# KiCad board FC_V5c.kicad_pcb (continued)
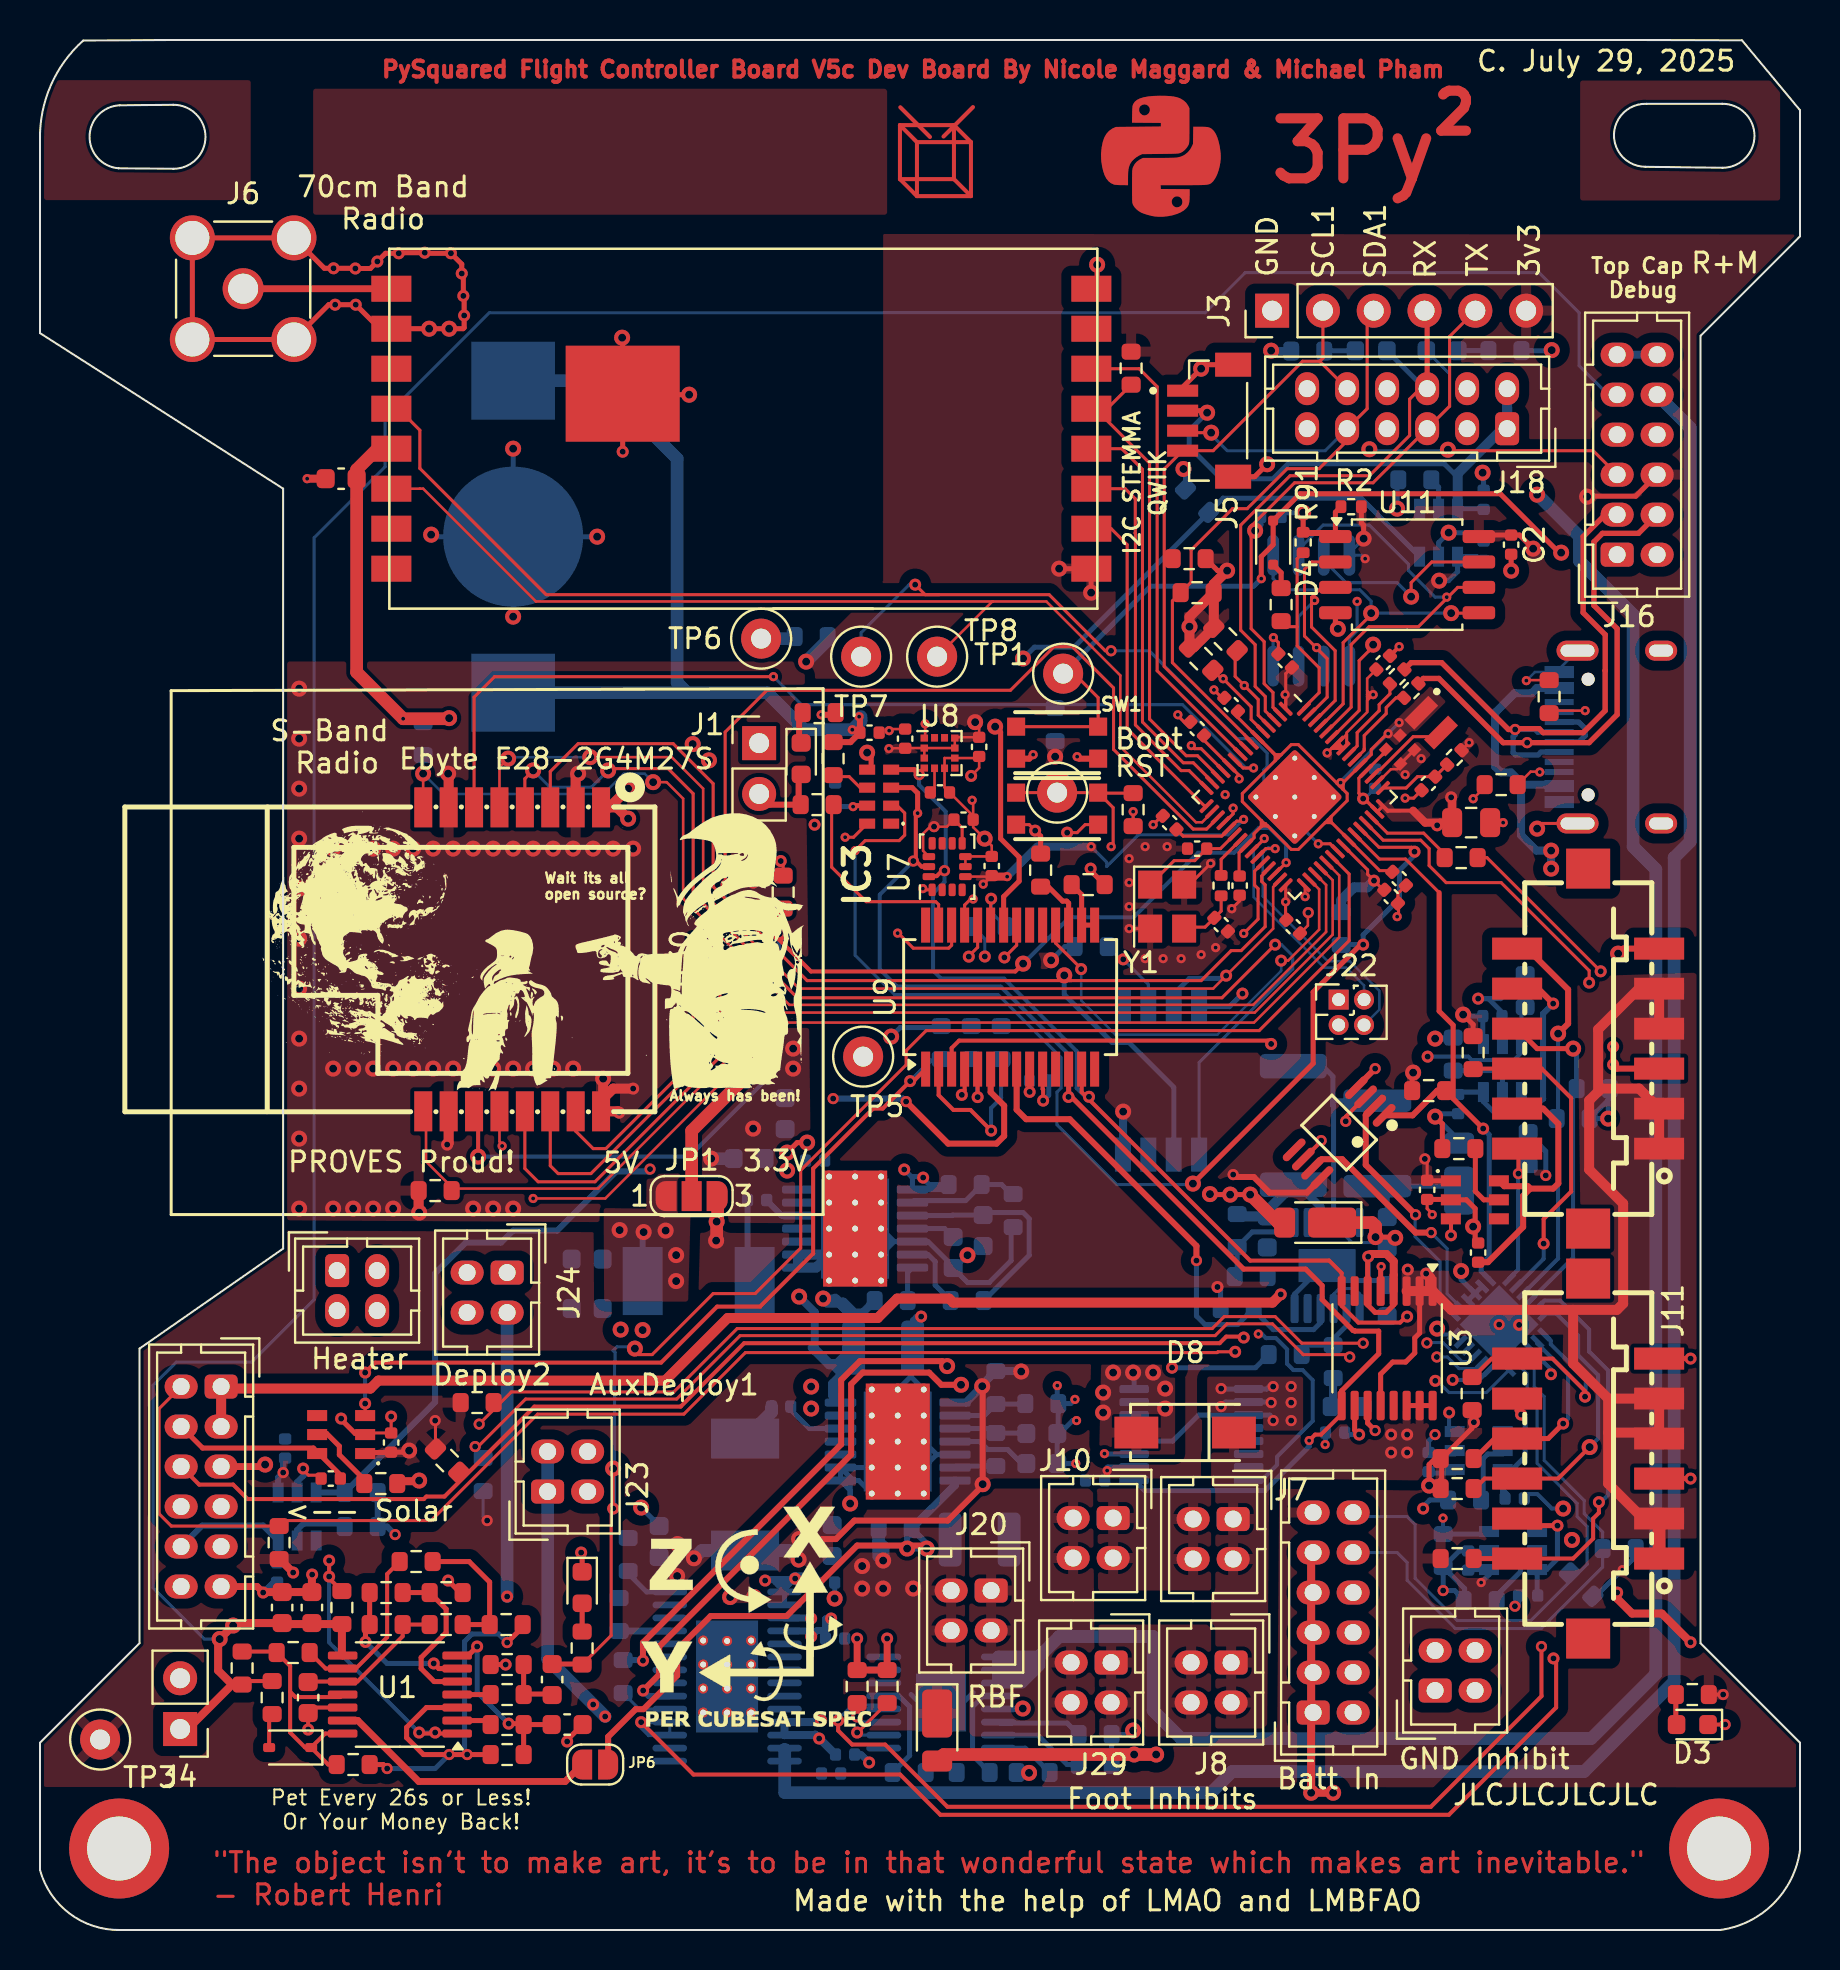
[diagram p0: board, top side]
## Routing (per net, layer and track width the routed paths; a pad name or vN(x,y) marks a point on that pad's centre or on a via; arc(x,y) is an arc through that point) (continued)
  Bottom w0.25: U6.15 37.23,17.04 37.44,17.26 ; U6.15 U6.16 ; U6.15 36.88,17.25 ; v3(37.76,17.57) 36.36,17.57 v3(36.26,17.47) 36.66,17.47 36.77,17.36 ; v3(37.76,17.57) 37.54,17.36 36.77,17.36 ; v3(37.76,17.57) 37.44,17.26 ; 37.44,17.26 37.43,17.25 36.88,17.25 ; 36.77,17.36 36.88,17.25
  Bottom w0.635: v3(37.76,17.57) 38.58,17.57 C58.1
PAYLOAD_BATT: length 118.9
  In2.Cu w0.635: v1(74.86,71.77) 70.66,71.77 J18.7 J18.8
  Bottom w0.635: 47.93,12.39 U25.9 49.94,13.65 ; 49.94,13.65 50.96,14.67 55.66,14.67 55.66,10.97 57.06,9.57 77.56,9.57 80.79,12.81 80.79,53.04 79.66,54.17 79.66,65.77 76.98,68.46 76.98,69.68 74.88,71.77 v1(74.86,71.77) ; 49.94,13.65 49.94,13.25 ; 49.94,13.25 48.18,13.25 U25.10 48.06,12.87 49.56,12.87 49.66,12.97 ; 49.94,13.25 49.66,12.97 ; 49.66,12.97 49.08,12.39 48.16,12.39
PAYLOAD_BATT_ENABLE: length 42.5
  Top w0.152: U9.24 46.88,49.14 46.44,48.7 46.44,48.67
  In2.Cu w0.152: v1(49.14,11.07) 49.14,26.89 49.14,26.89 47.96,28.07 47.96,36.59 45.46,39.09 45.46,47.69 v3(46.44,48.67)
  Bottom w0.25: U25.13 49.12,11.05 v1(49.14,11.07)
PAYLOAD_PWR: length 28.8
  Top w0.25: J5.2 58.26,75.97 v1(58.36,75.87)
  Bottom w0.25: v1(58.36,75.87) 57.46,74.97 57.46,74.17 59.06,72.57 61.66,72.57 62.41,73.32 70.21,73.32 70.88,72.65 U29.6 72.03,71.07
  Bottom w0.5: 73.36,76.07 J18.1 ; 73.36,76.07 73.36,75.3 70.88,72.83 U29.6 ; 73.36,76.07 J18.2
PAYLOAD_PWR_ENABLE: length 39.1
  Top w0.25: U9.22 48.18,51.67 48.96,52.45 48.96,53.65 48.03,54.57 48.03,59.9 v1(47.76,60.17)
  In1.Cu w0.25: v1(49.15,63.58) 47.76,62.18 v1(47.76,60.17)
  Bottom w0.25: U29.3 66.06,71.6 59.16,71.6 51.71,64.15 49.72,64.15 v1(49.15,63.58)
READONLY: length 10.7
  Top w0.152: 39.58,56.67 39.58,53.15 41.31,51.42 44.79,51.42 44.93,51.28 U9.27
RF1_IO0: length 54.2
  Top w0.127: 47.66,66.43 47.62,66.43 TP8.1 ; 47.66,66.43 24.8,66.43 19.16,72.07 18.99,72.07 18.99,72.07 U4.6 ; 47.66,66.43 50.32,66.43 54.02,62.73 54.02,59.18 57.8,55.39 58.1,55.39 58.6,55.89
RF1_IO4: length 64.9
  Top w0.152: 44.96,66.77 44.26,66.77 v3(43.76,67.27) ; 44.96,66.77 50.46,66.77 53.26,63.97 v2(53.55,63.97) ; 44.96,66.77 25.31,66.77 18.99,73.09 18.99,75 17.92,76.07 ; v4(63.91,54.32) 64.51,54.32 U18.37
  Bottom w0.152: v4(63.91,54.32) 63.36,54.87 63.36,55.07 61.19,57.24 61.19,58.01 61.36,58.17 61.36,58.85 60.63,59.57 59.86,59.57 55.46,63.97 v2(53.55,63.97) ; v3(43.76,67.27) 43.46,67.27 41.06,64.87 TP7.1
RF1_RST: length 23.8
  Top w0.152: U4.14 54.96,78.07 55.86,77.17 55.86,62.97 U18.9
RF2_IO0: length 54.8
  Top w0.127: U30.12 22.97,39.43 23.11,39.3 v4(23.11,39.2) ; U18.35 64.96,52.73 64.96,49.64 60.7,45.37 37.06,45.37 28.26,36.58 v4(24.66,36.58)
  In2.Cu w0.127: v4(24.66,36.58) 23.16,38.08 23.16,39.15 v4(23.11,39.2)
RF2_IO1: length 34.6
  Top w0.152: U30.13 24.24,38.08 24.91,37.42 27.75,37.42 34,43.66 v4(34,48.57) ; U9.26 45.58,49.24 45.43,49.1 43.66,49.1 42.91,49.85 v4(42.88,49.85)
  In2.Cu w0.152: v4(34,48.57) 34,48.78 35.74,50.52 42.28,50.52 42.88,49.92 v4(42.88,49.85)
RF2_IO2: length 34.6
  Top w0.152: v4(46.66,51.55) 46.64,51.57 46.55,51.57 46.23,51.25 U9.25 ; U30.14 25.51,38.22 25.91,37.82 27.55,37.82 33.41,43.69 v4(33.41,49.07)
  In2.Cu w0.152: v4(46.66,51.55) 46.66,51.33 46.65,51.32 35.65,51.32 v4(33.41,49.07)
RF2_IO3: length 58.4
  Top w0.152: U30.15 26.78,39.95 27.66,39.07 28.3,39.07 32.66,43.44 v4(32.66,49.57) ; 58.88,55.61 58.33,55.05 57.66,55.05 53.68,59.03 53.68,62.11 51.61,64.17 50.7,64.17 48.52,61.99 36.35,61.99 34.26,59.9 v4(34.26,52.29)
  Bottom w0.152: v4(34.26,52.29) 34.26,51.42 32.66,49.82 v4(32.66,49.57)
RF2_RST: length 58
  Top w0.152: 61.74,52.81 v4(62.31,53.37)
  Top w0.2: v1(21.91,38.67) 21.91,40.73 ; 36.94,50.86 v1(36.94,49.84) 36.94,49.54 38.55,47.93 48.76,47.93 v1(49.16,48.32)
  Bottom w0.2: v1(49.16,48.32) 51.48,50.64 54.68,50.64 57.9,53.87 59.7,53.87 60.94,55.11 61.47,55.11 62.31,54.28 v4(62.31,53.37) ; v1(36.94,49.84) 36.94,43.16 32.46,38.67 v1(21.91,38.67)
RF2_RX_EN: length 61
  Top w0.127: U18.33 64.3,52.26 64.3,49.91 60.66,46.26 37.47,46.26 32.16,51.57 32.16,56.57 31.33,57.4 v1(30.66,57.4) ; v1(19.16,57.82) 19.16,56.14
  Bottom w0.127: R96.1 v1(19.16,57.82) 20.17,56.81 28.17,56.81 29.19,57.82 30.23,57.82 v1(30.66,57.4)
RF2_TX_EN: length 57.1
  Top w0.127: 19.3,40.8 19.3,38.43 20.66,37.07 27.91,37.07 36.71,45.87 60.73,45.87 64.63,49.77 64.63,52.5 U18.34
RF_VCC: length 57
  Top w0.635: U4.5 16.88,74.07 15.83,73.02 C14.2 15.83,62.9 v4(18.16,60.57) 20.43,60.57 v1(20.46,60.6) ; v1(36.24,43.62) 32.58,39.96 JP1.2
  In2.Cu w0.635: v1(36.24,43.62) 31.81,48.06 31.81,57.55 28.78,60.57 v4(18.16,60.57)
RTC_INT: length 59.5
  Top w0.152: U18.41 66.95,54.14 68.59,54.14 68.73,54.01 v3(68.73,53.92) ; v4(40.76,53.97) 41.26,54.47 42.96,54.47 43.23,54.75 43.23,55.85 42.86,56.22 IC3.2
  Top w0.25: v3(66.16,49.27) 66.03,49.27 63.66,46.9 63.66,43.33 v1(57.65,37.32)
  Bottom w0.152: v1(57.65,37.32) 57.6,37.27 53.84,37.27 50.85,40.27 50.85,41.9 51.05,42.1 51.05,43.63 47.91,46.77 42.72,46.77 40.76,48.74 v4(40.76,53.97)
  Bottom w0.25: 65.08,49.27 v3(66.16,49.27) 66.16,49.76 67.97,51.57 67.97,52.99 68.73,53.74 v3(68.73,53.92)
RX: length 29.8
  Top w0.152: 69,77.07 68.48,76.55 68.48,74.73 66.47,72.72 62.5,72.72 60.03,70.25 60.03,65 60.76,64.27 60.76,62.19 61.26,61.68 61.26,60.96 U18.3
  Top w0.25: J18.6 69.36,80.84
  Bottom w0.25: 69.24,77.07 D2.2
SCL0: length 45.9
  Top w0.152: 63.99,78.45 J18.10 ; 63.99,78.45 64.15,78.61 J3.2 ; 63.99,78.45 63.13,78.45 58.66,73.97 J5.4 56.21,73.05 56.21,63.18 U18.8
  In2.Cu w0.152: J18.10 66.86,78.57 75.06,78.57 J16.7
SCL1: length 106.7
  Top w0.127: R39.1 59.06,62.57 v4(59.16,62.57) ; v4(44.26,60.31) 44.26,59.65
  Top w0.152: v4(59.16,62.57) 60.56,61.17 60.56,60.53 U18.5
  Top w0.2: 43.72,53.47 43.72,53.47 43.79,53.47 ; 43.79,53.47 43.79,55.76 v4(43.88,55.85) ; 43.79,53.47 43.79,53.46 44.08,53.17 U7.13 ; 65.08,25.8 64.06,24.77 63.76,24.77 v4(63.46,24.47) ; U14.3 65.29,40.67 v2(65.29,40.44)
  Top w0.25: 42.76,57.12 43.61,57.12 43.88,56.85 v4(43.88,55.85) ; U3.9 65.08,26.96 66.94,28.82 66.94,29.95 65.74,29.95 65.72,29.97 65.66,29.97 64.11,31.52 64.11,32.22 63.28,33.05 60.18,33.05 51.43,41.8 U9.12
  In2.Cu w0.127: v4(43.88,55.85) 43.86,55.87 43.86,56.45 42.93,57.37 42.93,58.99 v4(44.26,60.31) 45.45,61.51 55.09,61.51 56.15,62.57 v4(59.16,62.57)
  In2.Cu w0.2: v2(65.29,40.44) 57.59,40.44 55.56,42.47 52.24,42.47 v3(51.42,41.66)
  Bottom w0.2: v3(51.42,41.66) 51.56,41.79 51.56,41.81 51.43,41.93 51.43,43.78 48.04,47.17 42.86,47.17 41.99,48.04 41.99,51.78 v2(43.67,53.45)
  Bottom w0.25: v4(63.46,24.47) 63.46,24.18 61.25,21.97 55.23,21.97 U26.9
SDA0: length 51.1
  Top w0.152: 66.36,80.64 66.36,76.07 J18.9 ; 65.36,74.47 63.96,73.07 62.36,73.07 60.36,71.07 59.63,71.07 57.56,69 57.56,67.4 R25.1 56.62,66.46 56.62,63.37 60.23,59.76 60.23,59.76 60.59,59.4 ; J16.5 77.66,73.97 70.45,73.97 v1(70.4,74.02) ; v1(58.56,74.87) 57.23,74.87
  In2.Cu w0.152: 65.44,75.07 v1(66.47,74.05)
  Bottom w0.152: v1(58.56,74.87) 58.56,74.77 59.36,73.97 64.25,73.97 J18.9 ; v1(70.4,74.02) 70.35,73.97 66.54,73.97 v1(66.47,74.05)
SDA1: length 104.3
  Top w0.152: U18.4 60.91,60.75 60.91,61.53 59.76,62.69 59.76,63.87
  Top w0.2: v2(64.06,39.47) 64.06,39.44 U14.6 ; U8.4 43.96,57.85 v2(43.96,57.77) ; U7.14 44.67,52.67 44.7,52.7 44.83,52.7 45.06,52.92 45.18,52.92 v2(45.23,52.97) ; v3(68.36,30.67) 68.31,30.67 68.01,30.37 65.92,30.37 65.08,31.21 U3.8 65.08,32.85 64.46,33.47 60.51,33.47 52.08,41.9 U9.13
  Top w0.25: v2(43.96,57.77) 43.71,58.02 42.76,58.02
  In2.Cu w0.152: v2(43.96,57.77) 43.83,57.9 43.83,58.84 46.06,61.07 55.74,61.07 56.74,62.07 57.06,62.07 57.62,61.51 59.49,61.51 v4(60.21,62.23)
  In2.Cu w0.2: v2(64.06,39.47) 57.99,39.47 55.59,41.87 52.66,41.87 v3(52.45,41.67) ; v3(68.36,30.67) 68.31,30.67 67.66,30.03 61.14,30.03 v4(60.92,29.8)
  Bottom w0.2: v2(43.96,57.77) 43.96,57.25 45.28,55.93 45.28,53.03 v2(45.23,52.97) 45.23,52.41 44.66,51.84 44.66,47.97 45.06,47.58 48.21,47.58 51.83,43.95 51.83,42.1 52.26,41.67 v3(52.45,41.67) ; U26.8 61.09,22.5 61.86,23.27 61.86,23.67 63.64,25.46 63.64,27.49 63.13,28 62.67,28 62.36,28.31 62.36,29.04 61.8,29.6 61.3,29.6 61.09,29.8 v4(60.92,29.8)
SPI0_CS0: length 22.9
  Top w0.152: 58.89,57.7 57.88,58.72 57.31,58.72 55.48,60.55 55.48,73.35 52.76,76.07 ; 53.36,76.07 R13.2
SPI0_MISO: length 16.9
  Top w0.152: U4.10 53.56,70.07 54.36,69.27 54.36,60.07 58.23,56.2 U18.16
SPI0_MOSI: length 18.6
  Top w0.152: 58.33,57.11 57.46,57.97 57.06,57.97 54.77,60.26 54.77,69.84 54.76,69.86 54.76,69.86 54.76,71.57 54.26,72.07 U4.11
SPI0_SCK: length 20.3
  Top w0.152: 58.61,57.42 57.66,58.37 57.16,58.37 55.12,60.41 55.12,73.04 54.09,74.07 U4.12
SPI1_CS0: length 47.9
  Top w0.152: U18.10 60.15,58.11 v4(60.68,58.11) ; v4(36.67,62.67) 22.73,62.67 21.7,61.65 U30.6
  Bottom w0.152: v4(36.67,62.67) 38.07,61.27 57.13,61.27 60.29,58.11 v4(60.68,58.11)
SPI1_CS1: length 20.3
  Top w0.152: 59.17,55.32 59.66,55.81 v4(59.66,56.1)
  In2.Cu w0.152: v4(59.66,56.1) 55.55,56.1 54.57,55.12 52.77,55.12 51.66,54 51.66,51.04 v3(54.16,48.54)
  Bottom w0.152: U2.2 55.42,47.28 v3(54.16,48.54) 54.02,48.54 R11.1
SPI1_MISO: length 62.2
  Top w0.152: U30.3 25.51,57.93 26.91,59.32 31.66,59.32 33.66,57.32 33.66,52.17 38.36,47.47 51.56,47.47 ; 51.56,47.47 58.06,47.47 59.56,48.97 60.06,48.97 61.26,50.17 61.26,52.26 61.08,52.44 61.08,52.71 61.26,52.88 ; 51.56,47.47 51.48,47.47 v1(51.21,47.74)
  Bottom w0.25: v1(51.21,47.74) 51.21,46.78 53.61,44.38 54.45,44.38 56.69,42.14 U2.6
SPI1_MOSI: length 65.1
  Top w0.152: v1(28.41,57.98) 28.5,58.07 31.41,58.07 32.66,56.82 32.66,51.82 37.87,46.62 59.1,46.62 v3(61.76,49.27) ; v1(24.66,57.98) 24.24,57.57 U30.4 ; v4(63.26,51.67) 63.26,52.18
  In2.Cu w0.152: v3(61.76,49.27) 61.76,50.17 v4(63.26,51.67)
  Bottom w0.152: v1(24.66,57.98) 25.49,57.15 27.57,57.15 v1(28.41,57.98) ; U2.5 57.96,43.38 62.63,48.06 62.63,48.71 62.07,49.27 v3(61.76,49.27)
SPI1_SCK: length 55.5
  Top w0.127: 61.99,52.5 61.66,52.16 61.66,50.07 v3(59.31,47.72) 58.66,47.07 37.96,47.07 33.16,51.87 33.16,57.07 31.58,58.65 v1(27.51,58.65) ; U30.5 22.97,58.14 v1(23.41,58.57)
  Bottom w0.127: v1(27.51,58.65) 23.48,58.65 v1(23.41,58.57)
  Bottom w0.25: v3(59.31,47.72) 59.17,47.58 57.47,47.58 56.69,46.81
SWCLK: length 12.1
  Top w0.152: v4(61.21,54.58) 61.21,54.57 61.15,54.51 61.15,54.5 U18.24
  Bottom w0.127: v4(61.21,54.58) 61.21,54.58 61.18,54.55 61.18,54.5 60.68,54 60.68,51.65 64.21,48.12 65.31,48.12 66.2,47.23 66.2,46.52
SWDIO: length 13.8
  Top w0.152: v4(61.76,54.07) 61.29,54.07 U18.25
  Bottom w0.127: 66.2,45.25 66.97,46.02 66.97,46.96 65.48,48.45 64.38,48.45 61.14,51.69 61.14,53.85 61.41,54.13 61.7,54.13 v4(61.76,54.07)
TX: length 33.8
  Top w0.152: v1(60.76,69.97) 60.76,69.87 60.56,69.67 ; J3.5 70.48,79.69 70.48,76.2 J18.5 66.65,72.37 62.73,72.37 60.56,70.2 60.56,69.67 ; U18.2 61.65,61.14 61.65,61.88 61.21,62.32 61.21,64.42 60.56,65.07 60.56,69.67
  Bottom w0.152: J18.5 70.48,76.2 70.48,77.81 D1.2
  Bottom w0.25: R9.1 61.05,70.26 v1(60.76,69.97)
USB_D+: length 29.4
  Top w0.267: R8.2 68.56,63.37 70.08,63.37 73.42,60.03 73.9,60.03 ; J16.3 78.26,70.77 77.16,69.67 77.16,65.87 78.26,64.77 78.26,62.98 78.26,62.97 78.26,60.97 77.16,59.87 75.16,59.87 74.96,60.07 73.8,60.07 v2(73.76,60.03)
  Bottom w0.267: J12.B6 75.05,58.9 74.9,58.76 73.77,58.76 73.66,58.87 73.66,59.67 73.76,59.77 v2(73.76,60.03) 74.76,60.03 74.89,59.9 J12.A6
USB_D-: length 29.6
  Top w0.267: R7.2 69.17,62.59 69.95,62.59 73.16,59.37 v2(74.36,59.37) 77.46,59.37 78.86,60.77 78.86,65.07 77.7,66.23 77.7,69.41 78.12,69.84 79.92,69.84 J16.4
  Bottom w0.2: J12.A7 74.39,59.4 v2(74.36,59.37) ; 76.99,60.35 76.94,60.4 ; 76.94,59.4 76.99,59.45
  Bottom w0.267: 76.99,60.35 77.26,60.08 77.26,59.72 76.99,59.45 ; 76.94,60.4 J12.B7 ; J12.A7 76.94,59.4
USB_DM: length 4.3
  Top w0.152: U18.51 66.21,59 66.21,59.73 67.31,60.83 67.31,61.13 67.8,61.61 R7.1
USB_DP: length 4.4
  Top w0.152: R8.1 67.5,61.81 66.96,61.27 66.96,60.97 65.86,59.87 65.86,59.21 U18.52
USBBOOT: length 41.5
  Top w0.152: 51.46,63.07 52.91,61.62 SW1.A SW1.A'
  Top w0.25: v4(61.06,67.57) 61.06,68.68 61.66,69.27 D4.1 63,71.82 73.01,71.82 75.96,68.87 v1(76.06,68.87)
  In2.Cu w0.25: v1(76.06,68.87) 78.76,68.87
  Bottom w0.25: TP1.1 55.53,67.2 60.69,67.2 v4(61.06,67.57)
VSOLAR: length 140
  Top w0.25: U3.2 68.98,29.85 68.74,29.61 68.74,28.86 68.28,28.4 67.63,28.4 67.03,27.8 U3.12
  Top w0.5: 9.16,27.08 16.52,27.08 16.92,27.47 31.26,27.47 34.38,30.6 41.88,30.6 42.86,31.57 45.46,31.57 45.66,31.37 61.63,31.37 v3(62.04,31.79) ; 9.16,27.08 J17.1 ; 9.16,27.07 J17.1 ; 76.66,31.01 78.84,31.01 79.16,31.32 79.16,36.33 77.46,38.03 77.46,41.48 77.91,41.93 ; 76.66,31.01 76.66,28.32 78.41,26.57 ; 76.66,31.01 70.57,31.01 ; 78.41,24.87 80.66,24.87 J11.7 J11.9 78.41,26.57 ; 78.41,24.87 78.41,26.57 ; 78.41,24.87 78.41,22.32 80.16,20.57 ; J2.7 J2.9 79.94,47.07 77.91,45.04 77.91,41.93 ; v3(69.31,32.82) 69.5,32.63 69.5,32.08 70.57,31.01 ; 70.57,31.01 U3.1 68.33,31.95 ; J17.1 J17.3 ; 77.91,41.93 78.05,42.07 79.96,42.07 J2.3 J2.1
  Top w0.635: J11.1 J11.3
  In2.Cu w0.5: v3(62.04,31.79) 62.53,31.79 63.12,32.37 67.22,32.37 67.74,32.89 68.26,32.89 v3(68.39,33.02) 68.44,33.07 69.06,33.07 v3(69.31,32.82) ; J17.3 10.33,23.9 10.33,22.45 J17.7 J17.9
WDT_DISABLE: length 154.7
  Top w0.2: R33.2 10.28,12.45
  Top w0.4: 12.16,15.3 R31.2 15.09,13.76 U1.8 ; 12.11,15.35 9.78,15.35 v1(8.98,14.55) 8.91,14.47 8.91,12.97 9.61,12.27 ; 9.61,12.27 R35.2 ; 9.61,12.27 7.38,10.05
  Bottom w0.152: v1(9.66,15.22) v1(8.98,14.55) 8.22,14.55 5.66,17.11 5.66,27.24 6.81,28.4 10.58,28.4 13.71,31.52 13.71,69.62 17.26,73.17 17.26,75.67 22.46,80.87 58.26,80.87 60.26,82.87 74.96,82.87 76.96,80.87 76.96,78.22 78.41,76.77
WDT_WDI: length 72.8
  Top w0.152: v1(28.66,23.07) v3(28.66,21.07) 28.56,20.97 28.56,14.72 R21.1 ; U18.36 65.46,52.8 65.46,49.47 60.96,44.97 44.31,44.97 43.31,43.97 43.31,43.26 38.03,37.99 38.03,34.1 35.76,31.82 33.66,31.82 30.61,28.77 29.93,28.77 29.74,28.96 v1(29.74,29.07)
  Top w0.25: C20.1 27.08,13.3
  Bottom w0.152: v3(28.66,21.07) 28.73,21.15 28.73,28.45 28.76,28.47 28.76,28.87 28.66,28.97 28.85,29.16 29.65,29.16 v1(29.74,29.07)
~{3v3_RESET}: length 28.8
  Top w0.3: JP6.2 28.41,9.66 29.79,11.04 30.18,11.04 31.86,12.72 31.86,14.02 33.53,15.7 37.33,15.7 40.86,19.23 44.18,19.23 v1(44.33,19.07)
  Bottom w0.3: v1(43.36,19.07) 43.36,19.85 R124.2 44.33,19.32 v1(44.33,19.07) v1(43.36,19.07)
  Bottom w0.4: U10.7 45.75,22.24 R124.2
~{CHARGE}: length 25.3
  Top w0.3: v2(57.82,33.47) 57.82,34.21 51.49,40.55 49.31,40.55 48.83,41.02 48.83,43.05
  Bottom w0.25: R70.2 59.88,30.27 58.25,30.27 57.82,30.7 v2(57.82,33.47) ; 60.68,31 61.66,30.02 63.68,30.02 64.03,30.37 IC6.4
~{GPIO_EXPANDER_RESET}: length 22.1
  Top w0.127: U18.32 63.96,52.04 63.96,50.03 62.41,48.47 v3(62.06,48.47)
  Top w0.152: v3(52.06,48.05) 52.06,48.07 50.78,49.35 U9.18
  Bottom w0.127: v3(62.06,48.47) 62.06,47.96 58.87,44.77 53.77,44.77 52.06,46.49 v3(52.06,48.05)
~{MUX_RESET}: length 29.7
  Top w0.152: U18.40 66.97,53.55 68.28,53.55 69.96,51.87
  Top w0.25: 69.96,51.87 69.96,45.95 70.66,45.25 70.66,41.57 v3(72.16,40.07)
  Top w0.3: R15.2 69.87,41.97 68.63,40.74 U14.1
  Bottom w0.25: v3(72.16,40.07) 72.46,39.77 72.46,33.67 72.06,33.27 72.06,32.94 U12.24 72.46,32.57
Net-(BT1-+-Pad1): length 43.4
  Top w0.3: R64.2 40.52,59.4 C26.1 41,60.63 v4(40.96,60.67)
  Bottom w0.3: v4(40.96,60.67) 40.96,60.36 v4(40.61,60.02)
  Bottom w0.635: 32.36,61.87 36.36,61.87 38.21,60.02 v4(40.61,60.02) 41.05,60.46 41.05,60.67 ; 32.36,61.87 31.86,62.37 31.86,73.57 27.96,77.47 BT1.1 ; 32.36,61.87 BT1.2
Net-(C20-Pad2): length 2.9
  Top w0.25: 25.61,11.8 24.21,11.8 ; R22.1 R28.1
Net-(C64-Pad1): length 2.4
  Top w0.152: R93.2 59.06,50.95 58.25,50.15 57.73,50.15
Net-(D1-K): length 1.5
  Bottom w0.25: D1.1 R4.1
Net-(D2-K): length 1.5
  Bottom w0.25: 65.76,78.97 64.23,78.97
Net-(D3-A): length 1.5
  Top w0.25: R80.2 81.79,10.31
Net-(D4-A): length 1.3
  Top w0.25: D4.2 62.06,67.87 R10.2
Net-(D5-A): length 3.7
  Top w0.3: 37.96,57.79 37.93,57.76 37.93,56.27 36.49,56.27 J1.2
Net-(D5-K): length 1.6
  Top w0.3: R12.1 37.96,60.7 37.96,59.36
Net-(D6-A): length 1.4
  Top w0.25: R21.2 D6.2
Net-(D7-Pad2): length 1.5
  Top w0.2: D7.2 11.46,10.65
Net-(D12-K): length 7.9
  Top w0.25: v1(66.78,34.65) 67.72,34.65 v1(67.76,34.61)
  Top w0.635: D12.1 66.61,35.37 66.78,35.2 v1(66.78,34.65)
  Bottom w0.152: IC6.11 65.33,34.65 65.61,34.37 67.05,34.37
  Bottom w0.25: v1(67.76,34.61) 67.76,34.45 67.41,34.1 C41.2 ; v1(66.78,34.65) 67.37,34.06
Net-(D13-K): length 6.8
  Bottom w0.25: 67.37,35.61 67.37,36.7 L2.1 70.74,37.2 ; IC6.12 67.13,35.37
Net-(IC3-EVI): length 14.8
  Top w0.152: IC3.8 40.68,54.64 v4(40.26,54.64)
  In2.Cu w0.152: v4(40.26,54.64) 40.17,54.64 38.06,56.76 38.06,62.57 TP6.1
  Bottom w0.635: R14.1 37.63,64.57 TP6.1
Net-(IC3-VBACKUP): length 2
  Top w0.152: R64.1 39.73,57.67 40.46,57.67 41.01,57.12 IC3.6
Net-(IC6-SENSE): length 10.8
  Bottom w0.25: 64.14,43.2 64.65,42.68 64.65,41.21 ; 67.17,41.47 64.65,41.47 64.65,41.21 ; 64.65,41.21 64.68,41.18 IC6.10
Net-(IC6-VFB): length 4.7
  Bottom w0.25: 59.86,32.8 R71.1 60.62,34.91 62.27,34.91 IC6.7
Net-(IC6-VIN_REG): length 3.5
  Bottom w0.25: 64.52,29.41 65.33,30.22 IC6.2 ; 63.18,29.17 63.26,29.25 R66.2
Net-(J12-CC1): length 2.9
  Top w0.127: 75.58,60.97 v4(77.26,60.97)
  Bottom w0.127: v4(77.26,60.97) 76.03,60.97
Net-(J12-CC2): length 2.4
  Top w0.127: v4(74.99,57.9) 74.97,57.92 74.53,57.92 R27.2
  Bottom w0.127: v4(74.99,57.9) J12.B5
Net-(JP6-A): length 13.6
  Top w0.342: JP6.1 26.26,7.43 18.94,7.43 15.89,10.47 U1.13
Net-(R16-Pad2): length 6.7
  Top w0.25: R32.2 21.46,18.42 22.48,17.4 22.48,15.27 R17.1
Net-(R29-Pad1): length 1.5
  Top w0.25: 22.33,10.47 U1.2
Net-(R31-Pad1): length 15
  Top w0.2: R31.1 14.46,17.59 v3(14.46,18.47) ; U1.1 19.16,9.82 19.11,9.87 v3(18.96,9.87)
  Bottom w0.2: v3(19.76,9.87) v3(18.96,9.87) 14.46,14.37 v3(14.46,17.67) v3(14.46,18.47)
Net-(R65-Pad2): length 1.3
  Bottom w0.4: R66.1 64.66,26.3
Net-(U1A--): length 1.7
  Top w0.25: R28.2 U1.4
Net-(U1B-+): length 8.7
  Top w0.25: v3(23.43,10.32) 24.14,10.32 ; C21.2 R29.2 R30.2 ; 21.41,13.72 v3(21.86,14.17)
  Bottom w0.25: v3(21.86,14.17) 21.86,11.89 v3(23.43,10.32)
Net-(U1B--): length 7.4
  Top w0.25: 16.48,16.87 16.48,15.27 ; U1.6 19.94,13.07 v3(19.69,13.33) ; v3(16.27,14.41) 16.27,15.07
  Bottom w0.25: v3(16.27,14.41) 17.35,13.33 v3(19.69,13.33)
Net-(U1C-+): length 8.9
  Top w0.2: 17.98,18.42 17.36,17.8 17.36,14.64 15.79,13.07 U1.9 14.28,13.07 R34.1
Net-(U1D-+): length 13.6
  Top w0.2: D7.1 14.26,9.82 U1.14 ; D7.1 13.26,9.12 12.51,9.87 12.51,11.91 ; D7.1 14.41,8.27 R36.1 ; 12.51,11.91 12.77,11.65 15.01,11.65 U1.11 ; 12.51,11.91 12.51,13.2 R34.2 ; R35.1 11.78,13.92
Net-(U1D--): length 7.6
  Top w0.2: 13.43,12.42 U1.10 15.87,12.42 18.13,14.69 R18.1 19.48,15.27
Net-(U6-CL): length 2.5
  Bottom w0.342: U6.11 28.96,14.95
Net-(U6-DIAG_EN): length 2.6
  Bottom w0.25: U6.14 30.34,16.9 29.41,17.83 R101.1
Net-(U8-C1): length 1.3
  Top w0.127: C31.1 44.73,57.09 U8.5
Net-(U9-A0): length 2.9
  Top w0.25: R24.2 52.08,51.77 U9.16 U9.15
Net-(U9-A2): length 2.8
  Top w0.25: U9.17 51.43,51.35 51.33,51.45 51.13,51.45 50.41,52.17 R52.2
Net-(U10-PG): length 2
  Bottom w0.25: R43.1 45.83,23.2
Net-(U10-SS): length 3.8
  Bottom w0.25: 49.09,23.32 48.39,24.02 47.39,24.02 46.99,24.42 U10.4
Net-(U10-VBST): length 3
  Bottom w0.25: C27.2 37.54,26.01 38.48,25.07 U10.12
Net-(U10-VFB): length 3.7
  Bottom w0.25: 49.24,26.3 R38.1 47.21,25.72 U10.2
Net-(U10-VREG5): length 3.3
  Bottom w0.25: U10.3 47.56,25.07 ; R43.2 49.29,24.85
Net-(U12A-SCL): length 12.5
  Top w0.3: U14.2 66.29,40.75 66.29,38.26 v2(68.78,35.77)
  Bottom w0.152: v2(68.78,35.77) 68.76,35.75 68.76,34.67 70,33.43 70,31.46 U12.19
Net-(U12A-SDA): length 12
  Top w0.3: v2(69.56,34.87) 68.78,34.87 65.11,38.55 64.08,38.55 U14.7
  Bottom w0.152: v2(69.56,34.87) 70.36,34.07 70.36,31.81 U12.20
Net-(U13-EN): length 1.7
  Bottom w0.25: U13.7 43.38,32.89 R125.2
Net-(U13-PG): length 3.6
  Bottom w0.25: U13.6 44.41,33.77 44.76,33.42 44.76,32.25 R63.2
Net-(U13-SS): length 2.2
  Bottom w0.25: C9.2 45.23,35.07 U13.4
Net-(U13-VBST): length 1.9
  Bottom w0.3: U13.12 37.09,35.72 36.34,36.47
Net-(U13-VFB): length 5.5
  Bottom w0.25: U13.2 43.72,36.47 46.28,36.47 R23.2 48.08,37.27 48.56,36.8
Net-(U13-VREG5): length 10.9
  Bottom w0.25: C4.1 45.63,35.75 45.61,35.72 U13.3 ; 47.28,35.88 49.16,35.88 49.46,35.57 49.46,33.74 47.19,31.47
Net-(U19-ILIM): length 3.3
  Top w0.25: 71.77,38.91 71.77,36.94 72.19,36.51 U19.5
Net-(U21-ILIM): length 3.3
  Bottom w0.25: U21.5 73.12,42.65 72.79,42.97 70.72,42.97
Net-(U22-ILIM): length 3.6
  Bottom w0.25: 72.66,16.55 74.03,17.92 74.03,18.63 74.38,18.97 U22.5
Net-(U23-ILIM): length 3.6
  Top w0.25: 13.86,24.83 14.33,24.83 14.97,24.19 14.97,23.76 16.21,22.52
Net-(U24-ILIM): length 3.1
  Bottom w0.25: 73.13,23.8 72.38,23.8 72.16,23.57 72.16,21.5
Net-(U25-DIA_EN): length 3.1
  Bottom w0.25: U25.16 49.26,9.09 R55.1
Net-(U25-LATCH): length 2.1
  Top w0.152: v3(40.86,10.67) R54.2
  Bottom w0.152: U25.3 41.14,10.39 v3(40.86,10.67)
Net-(U25-SEL1): length 4.2
  Bottom w0.25: R85.2 51.36,10.35 47.97,10.35
Net-(U25-SEL2): length 4.6
  Bottom w0.25: U25.15 49.89,9.74 51.36,8.27 R82.2
Net-(U25-SNS): length 3.5
  Top w0.152: R81.1 40.88,9.87 v3(40.86,9.87)
  Bottom w0.152: U25.2 40.99,9.74 v3(40.86,9.87)
Net-(U27-ILIM): length 3.1
  Bottom w0.3: U27.5 12.86,20 13.18,20.33 15.08,20.33 R86.2
Net-(U29-ILIM): length 1.6
  Bottom w0.25: R50.2 69.93,72.15 U29.5

## Copper pours and planes (outline as drawn; the poured copper is in the pictures)
3.3V on Top: -3.35,84.83 90.01,84.78 90.01,8 88.58,7.13 -3.37,7.16 -3.35,7.17
3.3V on Bottom: 30.23,19.5 30.23,16.2 40.48,16.2 40.48,19.52 38.68,19.55 38.68,21.42 31.78,21.42 31.78,19.5
3.3V on In2.Cu: -3.35,96.87 89.78,96.87 89.78,-1.77 88.65,-2.9 2.38,-2.9 -3.42,2.9 -3.42,96.8
+1V1 on Top: 69.51,62.22 67.16,59.87 67.96,59.07 70.31,61.42
+5V on Top: 28.18,36.1 28.21,31.42 32.41,31.42 32.58,37.85 30.33,37.8 30.31,36.07
+5V on Bottom: 28.28,35.39 28.31,34.07 28.3,34.07 28.43,29.5 32.21,29.5 32.21,35.51
+5V on In2.Cu: 28.08,41.05 28.08,29.35 33.08,29.3 33.11,39.5 42.26,39.57 42.16,31.67 45.16,31.67 45.07,41.05
/Power Systems/3v3SW on Bottom: 32.69,26.11 32.66,23.1 41.03,23.01 41.03,25.52 37.18,25.65 37.16,26.8 35.61,26.85 35.61,26.15
/Power Systems/5vSW on Bottom: 38.73,35.4 33.88,35.37 33.86,30.1 37.19,30.1 37.13,33.97 38.73,33.97
/Power Systems/VBATT_SENSE on Top: 53.06,28.27 52.96,23.77 56.76,23.77 56.76,28.27
/Power Systems/VBATT_SENSE on Bottom: 64.56,37.97 64.56,34.27 57.86,34.37 57.86,29.47 56.26,29.47 56.26,25.37 52.86,25.37 52.86,32.17 55.96,32.17 55.96,37.97
GND on Top: 54.16,54.57 54.16,47.47 61.16,47.47 61.16,54.57
GND on Top: 68.76,59.57 67.46,58.27 68.26,57.47 69.56,58.77
GND on Top: -3.46,63.43 -3.34,35.57 38.58,35.34 38.23,63.66
GND on Bottom: 63.07,30.23 62.17,30.23 62.17,34.33 66.67,34.33 66.67,32.13 63.07,32.13
GND on Bottom: -3.27,84.8 89.63,84.8 89.63,7.96 88.8,7.13 -0.18,7.13 -3.5,10.45 -3.5,84.57
GND on In1.Cu: -3.57,96.94 90.01,96.94 90.01,-2.52 89.78,-2.75 2.84,-2.75 -3.57,3.66
VBUSP on Top: 40.16,20.87 40.16,9.97 46.46,9.97 46.46,20.87
VBUSP on Bottom: 43.49,20.85 43.33,7.07 46.86,7.07 46.86,20.85
VBUSP on Bottom: 40.36,20.77 40.36,15.17 43.66,15.17 43.66,20.77
VBUSP on Bottom: 35.36,39.87 35.36,36.07 38.86,36.07 38.86,39.87
VBUSP on Bottom: 37.66,31.07 37.66,25.57 41.66,25.57 41.66,31.07
VBUSP on In2.Cu: 43.46,17.27 43.46,12.97 46.56,12.97 46.56,24.87 41.86,24.79 41.86,39.37 36.66,39.37 36.66,31.83 37.86,30.57 37.86,17.27
(no net) on Top: 10.54,86.5 0.04,86.5 0.04,92.5 10.54,92.5
(no net) on Top: 87.01,86.48 77.01,86.48 77.01,92.48 87.01,92.48
(no net) on Top: 13.66,92.07 13.66,85.77 42.36,85.77 42.36,91.97 42.26,92.07
/Power Systems/B- on Bottom, In2.Cu: 64.56,22.77 64.66,9.87 70.9,9.87 70.77,15.27 67.56,15.27 67.56,22.77
/Power Systems/IN_RBF on Top: 46.46,22.07 46.46,9.67 52.76,9.67 52.65,22.07
/Power Systems/INHIB_1 on Top, In2.Cu: 52.56,15.27 52.56,9.67 58.56,9.67 58.56,15.27
/Power Systems/INHIB_2 on Top, In2.Cu: 52.66,22.07 52.66,16.97 58.56,16.97 58.56,22.07
/Power Systems/Load Switches/High Power Interstage on Bottom: 36.16,13.97 36.16,11.47 43.36,11.47 43.36,13.97
/Power Systems/V_SYS on Top: 58.56,25.97 58.56,10.07 61.36,10.07 61.46,22.57 69.46,22.47 69.46,25.97
/Power Systems/V_SYS on Bottom: 65.61,32.27 65.5,23.19 69.51,23.27 69.41,32.27
DEPLOY1 on Bottom: 36.76,9.37 36.76,6.47 39.46,6.47 39.46,9.37
Dir_Chrg_In on Top: 58.36,25.87 61.16,25.87 61.16,24.97 63.16,24.97 63.16,27.67 58.36,27.67
Dir_Chrg_In on In2.Cu: 61.56,10.27 64.76,10.27 64.55,28.27 58.76,28.27 58.76,25.41 61.56,25.27
Heater Output on Bottom: 35.86,17.87 35.86,15.97 39.16,15.97 39.16,17.87
VSOLAR on Top: 76.86,47.67 77.06,32.97 68.06,32.97 67.96,29.67 76.16,29.77 75.96,19.57 82.96,19.57 82.86,47.87

## Text on the board
B.Silkscreen: USB PWR ON | USB PWR OFF | Address | 0x77 / 0x6B / 0x1E / 0x52 / 0x40 / 0x41 / 0x20 | TCA9548A / LSM6DSO / LSM303AGR / RV3028 / INA219-Sys / INA219-Sol / MCP23017SS | I2C Devices | Hubble Space Telescope / Nebulosity in The Pleiades
